# Altium PCB BtnCore.PcbDoc (continued)
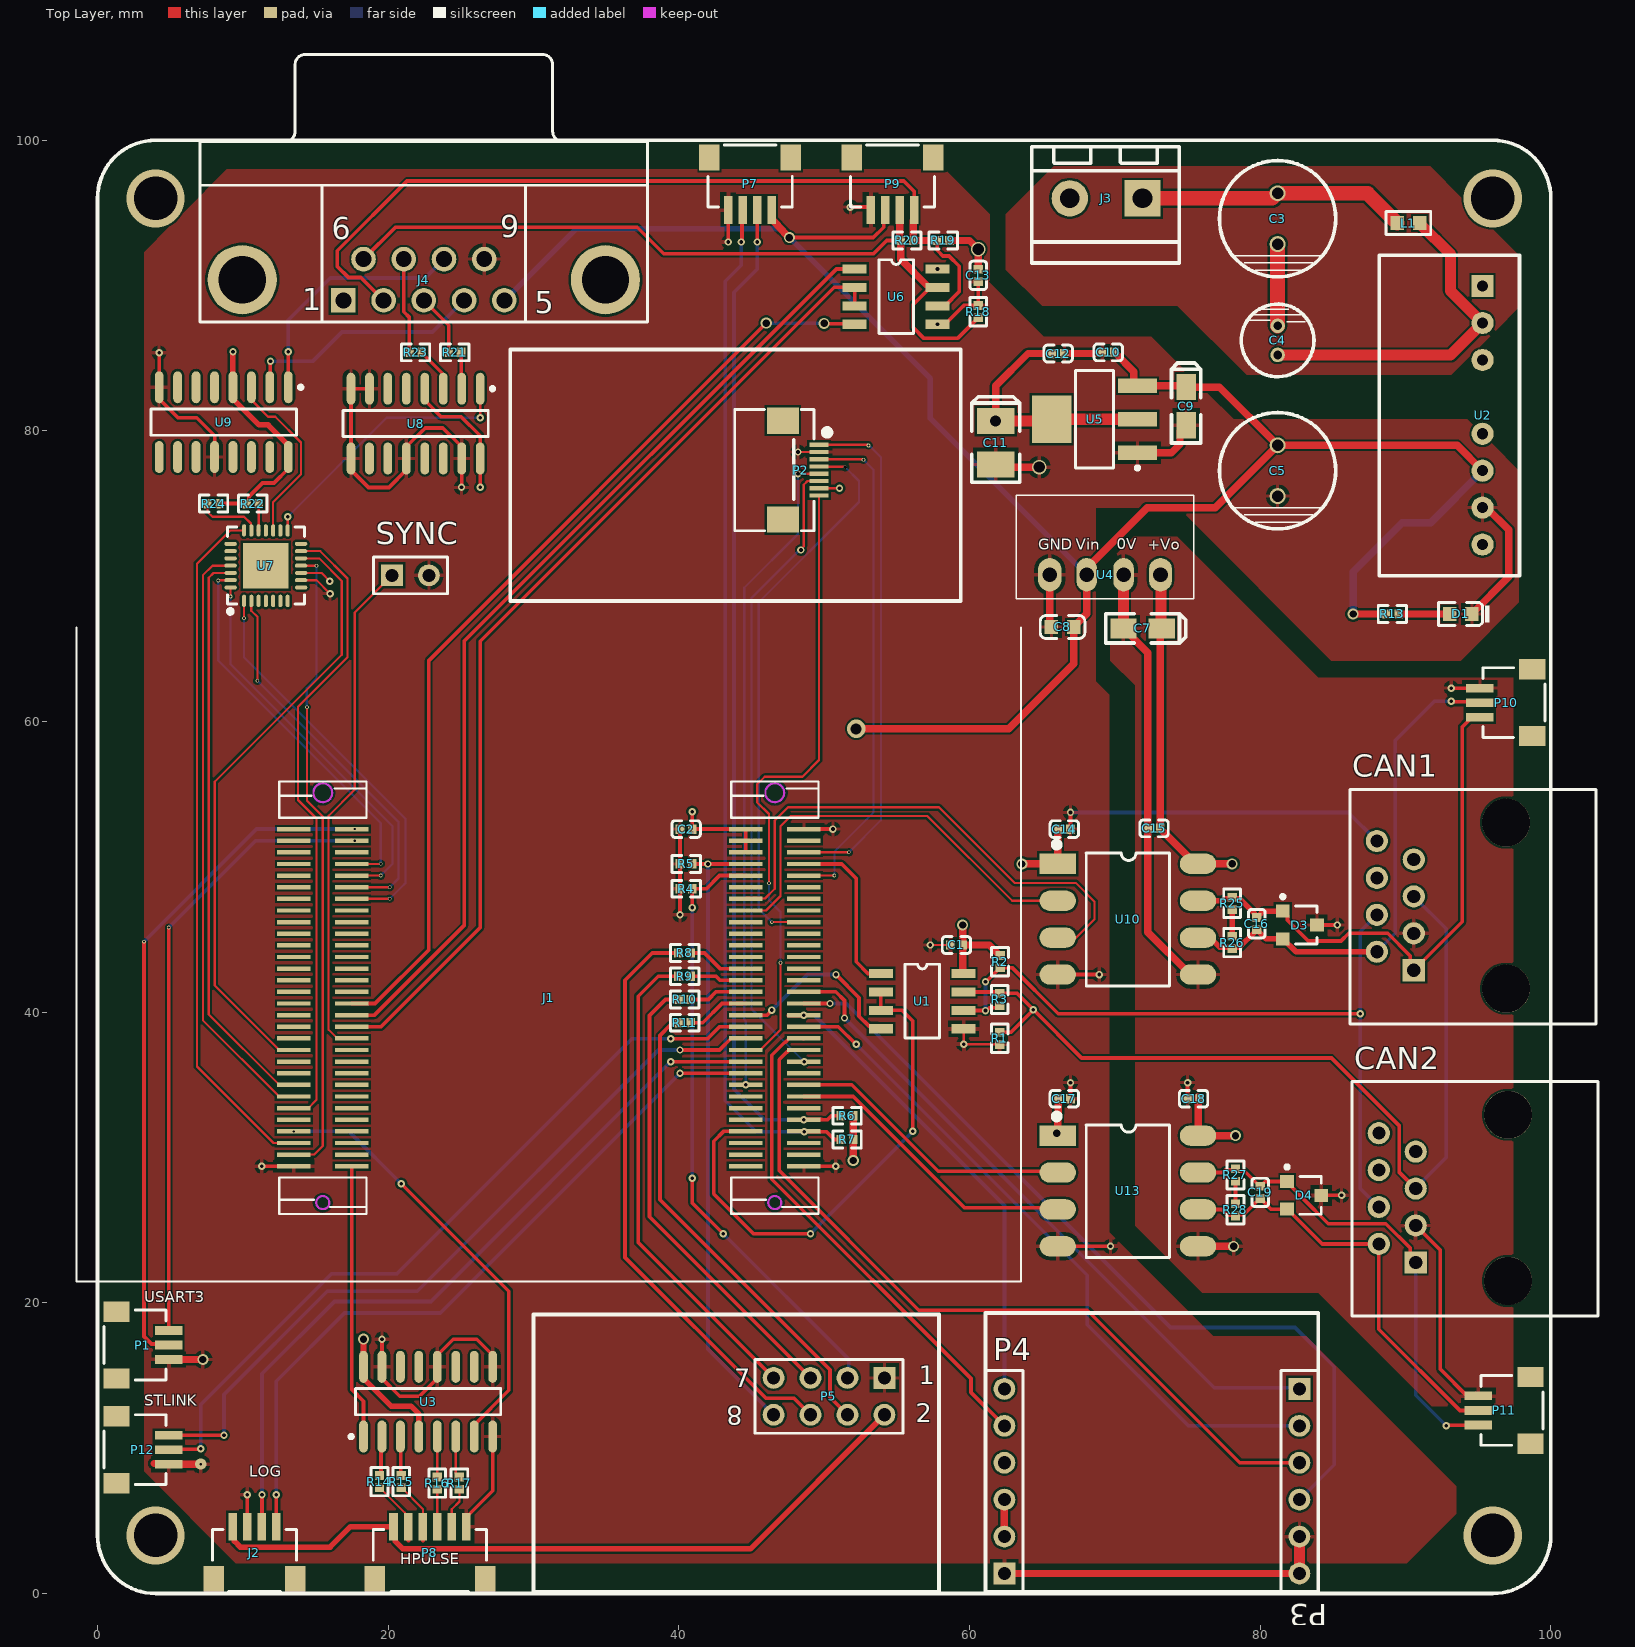
[diagram p0: Top Layer view]
## Footprints (in the part's own frame and the unit in brackets; to place one, negate y for a bottom-side part, rotate by r counter-clockwise, add the part's x,y. Pads: shape width x height; smd on the part's side, far side on the other; paste and mask are expansions set on the pad)
0402_C [mm]
  rect 0.6x0.65 smd mask+0.051: 1(-0.425,0) 2(0.425,0)
  silkscreen extent -0.97,-0.58 0.97,0.58, body extent -0.48,-0.3 0.52,0.3, height 0.2
0402_R [mm]
  rect 0.6x0.65 smd mask+0.051: 1(-0.425,0) 2(0.425,0)
  silkscreen extent -0.97,-0.58 0.97,0.58, body extent -0.57,-0.27 0.58,0.28, height 0.41
0603_C [mm]
  rect 0.93x0.98 smd: 1(-0.77,0) 2(0.77,0)
  silkscreen extent -1.53,-0.79 1.54,0.79, body extent -0.8,-0.4 0.8,0.4, height 0.3
0603_L [mm]
  rect 0.93x0.98 smd: 1(-0.77,0) 2(0.77,0)
  silkscreen extent -1.53,-0.79 1.54,0.79, body extent -0.82,-0.41 0.83,0.41, height 0.46
0603_LED_S1 [mm]
  rect 0.93x0.98 smd: A(0.77,0) K(-0.77,0)
  silkscreen extent -1.98,-0.79 1.54,0.79, body extent -0.8,-0.4 0.8,0.4, height 0.6
B_S-1WR3 [mm]
  oval 1.6x2.3 hole 1: 1(-3.81,0) 4(3.81,0)
  oval 1.4x2.3 hole 1: 2(-1.27,0) 3(1.27,0)
  silkscreen extent -6.1,-1.66 6.1,5.45, body extent -5.81,-0.88 5.79,5.12, height 10.2
CAP-E5mm [mm]
  round 1 hole 0.6: 1(-1,0) 2(1,0)
  silkscreen extent -2.5,-2.5 2.5,2.5
CAP-E8mm [mm]
  round 1.1 hole 0.8: 1(-1.75,0) 2(1.75,0)
  silkscreen extent -4,-4 4,4
CASE-A_3216 [mm]
  rect 1.8x1.35 smd: 1(1.31,0) 2(-1.31,0)
  silkscreen extent -2.54,-1 2.97,1, body extent -1.7,-0.84 1.7,0.84, height 1.71
CASE-B_3528 [mm]
  rect 1.8x2.6 smd: 1(1.5,0) 2(-1.5,0)
  silkscreen extent -2.73,-1.65 3.16,1.65, body extent -1.85,-1.47 1.85,1.46, height 2.03
DCDC_SUCCEED-WRA_S/WRB-1/2/3W [mil]
  rect 60x60 hole 30: 1(0,0)
  round 60 hole 30: 2(100,0) 3(200,0) 5(400,0) 6(500,0) 7(600,0) 8(700,0)
  silkscreen extent -84,-280 785,100, body extent -82,-278 784,96, height 472
DSUB1.385-2H9 [mm] "Connector; D Subminiature; 9 Position; Right Angle; Pitch 1.385 mm"
  rect 1.69x1.69 hole 1.09: 1(-5.54,-10.92)
  round 1.69 hole 1.09: 2(-2.77,-10.92) 3(0,-10.92) 4(2.77,-10.92) 5(5.54,-10.92) 6(-4.155,-8.08) 7(-1.385,-8.08) 8(1.385,-8.08) 9(4.155,-8.08)
  round 4.76 hole 3.26: 10(-12.495,-9.5) 11(12.495,-9.5)
  silkscreen extent -15.4,-12.4 15.4,6
"FPC0.5 2H-WS-8P" [mm] "长：8.2mm，宽：5.2mm，高：2mm"
  rect 1.8x2.2 smd: 0(-3.4,0) 0(3.4,0)
  rect 0.3x1.3 smd: 1(-1.75,2.497) 2(-1.25,2.497) 3(-0.75,2.497) 4(-0.25,2.497) 5(0.25,2.497) 6(0.75,2.497) 7(1.25,2.497) 8(1.75,2.497)
  silkscreen extent -4.17,-3.3 4.17,3.23, body extent -4.1,-3.15 4.1,2.85, height 2
HDR1X2 [mm] "Connector; Header; 2 Position"
  rect 1.5x1.5 hole 0.9: 1(0,0)
  round 1.5 hole 0.9: 2(2.54,0)
  silkscreen extent -1.27,-1.27 3.81,1.27
HDR1X6 [mm] "Connector; Header; 6 Position"
  rect 1.5x1.5 hole 0.9: 1(0,0)
  round 1.5 hole 0.9: 2(2.54,0) 3(5.08,0) 4(7.62,0) 5(10.16,0) 6(12.7,0)
  silkscreen extent -1.27,-1.27 13.97,1.27
HDR2X4 [mm] "Connector; Header; 4x2 Position"
  rect 1.5x1.5 hole 0.9: 1(0,0)
  round 1.5 hole 0.9: 2(0,2.54) 3(2.54,0) 4(2.54,2.54) 5(5.08,0) 6(5.08,2.54) 7(7.62,0) 8(7.62,2.54)
  silkscreen extent -1.27,-1.27 8.89,3.81
HEAD2L-0.8 [mm]
  rect 2.5x2.5 hole 1.35: 1(0,0)
  round 2.5 hole 1.35: 2(5,0)
  silkscreen extent -2.54,-3.56 7.62,4.45
QFN-28_5x5x05P [mm]
  rect 3.13x3.13 smd mask+0.051: 0(0,0)
  oval 0.28x0.85 smd mask+0.051: 1(-1.5,-2.425) 2(-1,-2.425) 3(-0.5,-2.425) 4(0,-2.425) 5(0.5,-2.425) 6(1,-2.425) 7(1.5,-2.425) 15(1.5,2.425) 16(1,2.425) 17(0.5,2.425) 18(0,2.425) 19(-0.5,2.425) 20(-1,2.425) 21(-1.5,2.425)
  oval 0.85x0.28 smd mask+0.051: 8(2.425,-1.5) 9(2.425,-1) 10(2.425,-0.5) 11(2.425,0) 12(2.425,0.5) 13(2.425,1) 14(2.425,1.5) 22(-2.425,1.5) 23(-2.425,1) 24(-2.425,0.5) 25(-2.425,0) 26(-2.425,-0.5) 27(-2.425,-1) 28(-2.425,-1.5)
  silkscreen extent -2.65,-3.3 2.65,2.65
RJ45-8P8C [mil]
  rect 60x60 hole 35.43: 1(162,-181)
  round 60 hole 35.43: 2(112,-281) 3(62,-181) 4(12,-281) 5(-38,-181) 6(-88,-281) 7(-138,-181) 8(-188,-281)
  round 129.92 hole 129.92: 15(212,69) 16(-238,69)
  silkscreen extent -328,-354 307,313, body extent -317,-310 293,312, height 642
SH1.0-3P-L [mm]
  rect 1.4x1.8 smd: 0(-2.3,-1.8) 0(2.3,-1.8)
  rect 0.6x1.9 smd: 1(-1,1.8) 2(0,1.8) 3(1,1.8)
  silkscreen extent -2.4,-2.67 2.4,1.6, body extent -2.5,-2.79 2.5,2.16, height 2.96
SH1.0-4P-L [mm]
  rect 1.4x1.8 smd: 0(-2.8,-1.8) 0(2.8,-1.8)
  rect 0.6x1.9 smd: 1(-1.5,1.8) 2(-0.5,1.8) 3(0.5,1.8) 4(1.5,1.8)
  silkscreen extent -2.9,-2.67 2.9,1.6, body extent -3,-2.79 3,2.16, height 2.96
SH1.0-6P-L [mm]
  rect 1.4x1.8 smd: 0(-3.8,-1.8) 0(3.8,-1.8)
  rect 0.6x1.9 smd: 1(-2.5,1.8) 2(-1.5,1.8) 3(-0.5,1.8) 4(0.5,1.8) 5(1.5,1.8) 6(2.5,1.8)
  silkscreen extent -3.9,-2.67 3.9,1.6, body extent -4,-2.79 4,2.16, height 2.96
SO-16_N [mm] "SOIC, 16-Leads, Body 9.9x3.9mm, Pitch 1.27mm, IPC Medium Density"
  oval 2.2x0.6 smd: 1(-2.4,4.445) 2(-2.4,3.175) 3(-2.4,1.905) 4(-2.4,0.635) 5(-2.4,-0.635) 6(-2.4,-1.905) 7(-2.4,-3.175) 8(-2.4,-4.445) 9(2.4,-4.445) 10(2.4,-3.175) 11(2.4,-1.905) 12(2.4,-0.635) 13(2.4,0.635) 14(2.4,1.905) 15(2.4,3.175) 16(2.4,4.445)
  silkscreen extent -2.52,-5 0.9,5.42, body extent -2,-5 2,5, height 1.75
SOP8-W2.54 [mm] "6.5*9.66*3.5mm（长宽高）"
  rect 2.5x1.4 smd: 1(-4.826,3.81)
  oval 2.5x1.4 smd: 2(-4.826,1.27) 3(-4.826,-1.27) 4(-4.826,-3.81) 5(4.826,-3.81) 6(4.826,-1.27) 7(4.826,1.27) 8(4.826,3.81)
  silkscreen extent -5.06,-4.59 2.87,5.29, body extent -5,-4.83 5,4.83, height 3.82
SOP-8 [mil]
  rect 65x25 smd: 1(0,0) 2(0,-50) 3(0,-100) 4(0,-150) 5(224.41,-150) 6(224.41,-100) 7(224.41,-50) 8(224.41,0)
  silkscreen extent 65,-175 159,25
SOT223_M [mm] "SOT223, 4-Leads, Body 6.5x3.5mm, Pitch 2.3mm, Lead Span 7mm, IPC Low Density"
  rect 2.7x1 smd: 1(-2.95,2.3) 2(-2.95,0) 3(-2.95,-2.3)
  rect 2.7x3.3 smd: 4(2.95,0)
  silkscreen extent -3.08,-3.35 1.3,3.47, body extent -1.85,-3.35 1.85,3.35, height 1.7
SOT-23 [mm]
  rect 0.9x0.95 smd: 1(-0.95,-1.048) 2(0.95,-1.048) 3(0,1.302)
  silkscreen extent -2.07,-1.17 1.3,1.3
STM32F4&F7_CB [mm]
  rect 2.3x0.3 smd: J1_1(0,0) J1_2(0,0.8) J1_3(0,1.6) J1_4(0,2.4) J1_5(0,3.2) J1_6(0,4) J1_7(0,4.8) J1_8(0,5.6) J1_9(0,6.4) J1_10(0,7.2) J1_11(0,8) J1_12(0,8.8) J1_13(0,9.6) J1_14(0,10.4) J1_15(0,11.2) J1_16(0,12) J1_17(0,12.8) J1_18(0,13.6) J1_19(0,14.4) J1_20(0,15.2) J1_21(0,16) J1_22(0,16.8) J1_23(0,17.6) J1_24(0,18.4) J1_25(0,19.2) J1_26(0,20) J1_27(0,20.8) J1_28(0,21.6) J1_29(0,22.4) J1_30(0,23.2) J1_31(4,23.2) J1_32(4,22.4) J1_33(4,21.6) J1_34(4,20.8) J1_35(4,20) J1_36(4,19.2) J1_37(4,18.4) J1_38(4,17.6) J1_39(4,16.8) J1_40(4,16) J1_41(4,15.2) J1_42(4,14.4) J1_43(4,13.6) J1_44(4,12.8) J1_45(4,12) J1_46(4,11.2) J1_47(4,10.4) J1_48(4,9.6) J1_49(4,8.8) J1_50(4,8) J1_51(4,7.2) J1_52(4,6.4) J1_53(4,5.6) J1_54(4,4.8) J1_55(4,4) J1_56(4,3.2) J1_57(4,2.4) J1_58(4,1.6) J1_59(4,0.8) J1_60(4,0) J2_1(31.1,0.001) J2_2(31.1,0.801) J2_3(31.1,1.601) J2_4(31.1,2.401) J2_5(31.1,3.201) J2_6(31.1,4.001) J2_7(31.1,4.801) J2_8(31.1,5.601) J2_9(31.1,6.401) J2_10(31.1,7.201) J2_11(31.1,8.001) J2_12(31.1,8.801) J2_13(31.1,9.601) J2_14(31.1,10.401) J2_15(31.1,11.201) J2_16(31.1,12.001) J2_17(31.1,12.801) J2_18(31.1,13.601) J2_19(31.1,14.401) J2_20(31.1,15.201) J2_21(31.1,16.001) J2_22(31.1,16.801) J2_23(31.1,17.601) J2_24(31.1,18.401) J2_25(31.1,19.201) J2_26(31.1,20.001) J2_27(31.1,20.801) J2_28(31.1,21.601) J2_29(31.1,22.401) J2_30(31.1,23.201) J2_31(35.1,23.201) J2_32(35.1,22.401) J2_33(35.1,21.601) J2_34(35.1,20.801) J2_35(35.1,20.001) J2_36(35.1,19.201) J2_37(35.1,18.401) J2_38(35.1,17.601) J2_39(35.1,16.801) J2_40(35.1,16.001) J2_41(35.1,15.201) J2_42(35.1,14.401) J2_43(35.1,13.601) J2_44(35.1,12.801) J2_45(35.1,12.001) J2_46(35.1,11.201) J2_47(35.1,10.401) J2_48(35.1,9.601) J2_49(35.1,8.801) J2_50(35.1,8.001) J2_51(35.1,7.201) J2_52(35.1,6.401) J2_53(35.1,5.601) J2_54(35.1,4.801) J2_55(35.1,4.001) J2_56(35.1,3.201) J2_57(35.1,2.401) J2_58(35.1,1.601) J2_59(35.1,0.801) J2_60(35.1,0.001)
  Keep-Out Layer circle w0.152: c33.1,25.701 r0.45
  Keep-Out Layer circle w0.152: c33.1,-2.499 r0.65
  Keep-Out Layer circle w0.152: c2,-2.5 r0.65
  Keep-Out Layer circle w0.152: c2,25.7 r0.45
  silkscreen extent -14.95,-13.87 50.05,31.13

## Part data
C1 C2 C8 C10 C12 C13 C14 C15 C17 C18: library part "0603 100nF (104) 10% 50V", "贴片电容", Package=0603, SuppliersPartNumber=C14663, ComponentLink1Description=供应商链接, ComponentLink1URL=http://www.szlcsc.com/product/details_15331.html, Supplier=LC
C3 C4 C5: "Polarized Capacitor (Radial)", LatestRevisionDate=17-Jul-2002, LatestRevisionNote="Re-released for DXP Platform.", PackageDescription="Polarized Capacitor (Radial); 2 Leads", PackageReference=RB7.6-15, Published=8-Jun-2000, Publisher="Altium Limited"
C7 C9 C11: library part "3216 10uF (106) 10% 16V", "钽电容", Package=3216, SuppliersPartNumber=C7171, ComponentLink1Description=供应商链接, ComponentLink1URL=http://www.szlcsc.com/product/details_7643.html, Supplier=LC
C16 C19: library part "0603 1nF (102) 10% 50V", "贴片电容", Package=0603, SuppliersPartNumber=C1588, ComponentLink1Description=供应商链接, ComponentLink1URL=http://www.szlcsc.com/product/details_1940.html, Supplier=LC
CAN1 CAN2: library part RJ45-8P8C, "以太网接口"
D1: library part "0603 白灯", "发光二极管", Package=0603, SuppliersPartNumber=C2290, ComponentLink1Description=供应商链接, ComponentLink1URL=http://www.szlcsc.com/product/details_2663.html, Supplier=LC
D3 D4: library part Diode-TVS, "瞬态抑制二极管"
J1: "F429/746 Core Board"
J2: library part "Header 4", "4P接插件", BOM名称=4P接插件, 厂商=JST
J3: library part HEAD2
J4: "Receptacle Assembly, 9 Position, Right Angle", PackageDocument=O, DatasheetDocument=1-Sep-1999, Gender=Receptacle, LatestRevisionDate=17-Jul-2002, LatestRevisionNote="Re-released for DXP Platform.", Orientation="Right Angle", PackageReference=788750, Positions=9, Published=15-Jun-2001, Publisher="Altium Limited"
P1 P12: library part "Header 3", "3P接插件", BOM名称=3P接插件, 厂商=JST
P2: "Header, 8-Pin", LatestRevisionDate=17-Jul-2002, LatestRevisionNote="Re-released for DXP Platform.", Publisher="Altium Limited"
P3 P4 P8: "Header, 6-Pin", LatestRevisionDate=17-Jul-2002, LatestRevisionNote="Re-released for DXP Platform.", Publisher="Altium Limited"
P5: "Header, 4-Pin, Dual row", LatestRevisionDate=17-Jul-2002, LatestRevisionNote="Re-released for DXP Platform.", Publisher="Altium Limited"
P7 P9: "Header, 4-Pin", LatestRevisionDate=17-Jul-2002, LatestRevisionNote="Re-released for DXP Platform.", Publisher="Altium Limited"
P10 P11: "Header, 3-Pin", LatestRevisionDate=17-Jul-2002, LatestRevisionNote="Re-released for DXP Platform.", Publisher="Altium Limited"
R1 R2 R14 R15 R16 R17 R18 R19 R21 R22 R23 R24: library part "0603 360Ω (3600) 1%", "贴片电阻", Package=0603, SuppliersPartNumber=C25194, ComponentLink1Description=供应商链接, ComponentLink1URL=http://www.szlcsc.com/product/details_25937.html, Supplier=LC
R3 R20 R25 R27: library part "0603 120Ω (1200) 1%", "贴片电阻", Package=0603, SuppliersPartNumber=C22787, ComponentLink1Description=供应商链接, ComponentLink1URL=http://www.szlcsc.com/product/details_23514.html, Supplier=LC
R4 R5 R6 R7 R13: library part "0805 100KΩ (1003) 1%", "贴片电阻", Package=0805, SuppliersPartNumber=C17407, ComponentLink1Description=供应商链接, ComponentLink1URL=http://www.szlcsc.com/product/details_18095.html, Supplier=LC
R8 R9 R10 R11: library part "0603 33Ω (33R0) 1%", "贴片电阻", Package=0603, SuppliersPartNumber=C23140, ComponentLink1Description=供应商链接, ComponentLink1URL=http://www.szlcsc.com/product/details_23867.html, Supplier=LC
R26 R28: library part "0603 0Ω (0R0) 1%", "贴片电阻", Package=0603, SuppliersPartNumber=C21189, ComponentLink1Description=供应商链接, ComponentLink1URL=http://www.szlcsc.com/product/details_21903.html, Supplier=LC
SYNC: "Header, 2-Pin", LatestRevisionDate=17-Jul-2002, LatestRevisionNote="Re-released for DXP Platform.", Publisher="Altium Limited"
U1 U6: library part MAX3485
U2: library part DCDC-WRB, "电源模块"
U3 U8: "AM32LS31 单端转差分芯片"
U4: library part B_S-1WR3
U5: library part AMS1117, "3.3V稳压芯片"
U7: "SPI转BiSS主站芯片"
U9: "AM26LS32 差分转单端"
U10 U13: "CAN隔离收发器"
L1: Code_IEC=1005, Code_JEITA=0402, LatestRevisionDate=29-May-2009, LatestRevisionNote="IPC-7351 Footprint Added.", PackageDescription="Chip Inductor", PackageReference=0402-A, Published=8-Jun-2000, Publisher="Altium Limited"

## Via types
v1: diameter 0.508, hole 0.254, Top Layer to Bottom Layer, 68 vias
v2: diameter 0.254, hole 0.152, Top Layer to Bottom Layer, 22 vias
v3: diameter 0.762, hole 0.508, Top Layer to Bottom Layer, 13 vias
v4: diameter 4/0.508/0.508/0.508 (per signal layer), hole 3, Top Layer to Bottom Layer, 4 vias
v5: diameter 1.016, hole 0.762, Top Layer to Bottom Layer, 3 vias
v6: diameter 1.27, hole 0.762, Top Layer to Bottom Layer, 1 vias
v7: diameter 0.254, hole 0.254, Top Layer to Bottom Layer, 1 vias
v8: diameter 0.762, hole 0.152, Top Layer to Bottom Layer, 1 vias

## Nets (pads, with @x,y where several pads share a name; then routed paths per layer and width w, separated by ;. In a path a pad name is that pad's centre, name@x,y a point inside that pad or via, vN(x,y) a via of type N, cw(c..) or ccw(c..) an arc to the next point about the centre after c; other vN are vias at no path point)
24VGND: C3.2 C4.2 J3.2 U2.1 | length 5.6
  Top Layer w1.016: C4.2 C3.2
CAN2_H: C19.2 CAN2.1 D4.1 P11.1 R27.2 U13.7 | length 32.7
  Top Layer w0.254: U13.7 77.411,28.97 77.594,29.153 78.228,29.153 R27.2 78.469,29.056 78.944,29.056 79.975,28.025 C19.2 80.025,28.025 80.198,28.198 80.198,28.201 80.347,28.35 D4.1 ; D4.1@81.877,28.35 82.2,28.027 82.2,27.938 82.885,27.254 84.686,25.452 88.648,25.452 90.321,23.779 90.321,23.167 CAN2.1 ; v1(92.8,11.54) 92.83,11.57 94.97,11.57 P11.1
  Bottom Layer w0.254: CAN2.1 90.703,13.637 v1(92.8,11.54)
CAN2_L: C19.1 CAN2.2 D4.2 P11.2 R28.1 U13.6 | length 29.5
  Top Layer w0.254: U13.6 77.357,26.43 77.743,26.044 78.231,26.044 R28.1 78.382,26.057 78.857,26.057 79.975,27.175 C19.1 80.025,27.175 80.75,26.45 D4.2 D4.2@81.832,26.43 ; D4.2@81.8,26.43 D4.2@81.832,26.43 ; P11.2 93.75,12.6 88.163,18.187 CAN2.2 84.272,24.055 81.897,26.43 D4.2@81.832,26.43
CAN_H: C16.2 CAN1.1 D3.1 P10.1 R25.2 U10.7 | length 37.1
  Top Layer w0.254: D3.1 81.556,46.95 81.879,46.627 81.879,46.321 83.3,44.9 85.561,44.9 86.09,45.429 88.771,45.429 90.316,43.884 90.316,43.524 90.62,43.221 90.9,43.221 CAN1.1 ; CAN1.1@90.94,43.26 93.9,46.221 93.9,59.63 P10.1@94.57,60.3
  Top Layer w0.381: U10.7 77.417,47.67 77.56,47.812 78.578,47.812 C16.2@79.634,46.756 ; C16.2 79.794,46.518 79.903,46.627 79.903,46.652 80.201,46.95 D3.1@81.527,46.95
CAN_L: C16.1 CAN1.2 D3.2 P10.2 R26.1 U10.6 | length 35.8
  Top Layer w0.254: v1(93.145,61.4) 93.194,61.351 95.067,61.351 P10.2
  Top Layer w0.381: U10.6 76.552,45.13 77.208,44.473 77.963,44.473 R26.1 78.174,44.473 78.578,44.473 79.634,45.53 79.634,45.558 79.744,45.668 C16.1 79.794,45.668 80.412,45.05 D3.2 81.577,45.05 82.468,44.159 CAN1.2
  Bottom Layer w0.254: CAN1.2 89.3,45.431 89.3,58.7 92,61.4 v1(93.145,61.4)
CANGND: C7.2 C15.1 C18.1 CAN1.3 CAN2.3 D3.3 D4.3 P10.3 P11.3 U4.3 U10.5 U13.5 | length 54
  Top Layer w0.254: C7.2@70.6,66.41 C7.2 ; C18.1 74.999,34.056 74.999,35.147 v1(75.005,35.153) ; U13.5@75.176,23.89 U13.5 ; U10.5@75.176,42.59 U10.5 ; U10.5@75.726,42.49 U10.5 ; U10.5@75.826,42.49 U10.5 ; D3.3 v1(85.3,46) ; D4.3@84.177,27.4 D4.3 v1(85.6,27.4) ; CAN1.3@90.225,45.429 CAN1.3 90.569,45.086 CAN1.3@90.597,45.058 ; CAN2.3 92.4,23.628 92.4,15.43 94.23,13.6 P11.3 P11.3@94.827,13.773 ; v1(93.145,62.3) P10.3
  Top Layer w0.508: C7.2 72.275,64.735 C15.1@72.275,52.671 ; C15.1 72.275,45.491 U10.5@75.176,42.59 ; U13.5 v3(78.174,23.89)
  Top Layer w0.762: C7.2@70.6,66.41 70.602,66.412 70.602,70.104 U4.3
CLK+: J4.3 R21.2 | length 4.3
  Top Layer w0.254: J4.3 24.159,87.275 R21.2
CLK-: J4.7 R23.2 | length 6.6
  Top Layer w0.254: J4.7 21.069,88.2 21.459,87.81 R23.2
GND: C1.1 C2.1 C5.2 C8.2 C9.2 C10.2 C11.2 C12.2 C13.1 C14.1 C17.1 CAN1.8 CAN2.8 D1.K J1.J1_1 J1.J1_30 J1.J2_31 J2.2 J4.9 P1.3 P2.2 P3.5 P3.6 P4.1 P5.1 P7.4 P8.6 P9.4 P12.3 R1.2 R4.2 R5.1 R18.2 SYNC.2 U1.5 U2.7 U3.8 U3.9 U3.12 U3.15 U4.1 U5.1 U6.5 U7.9 U8.7 U8.8 U8.9 U8.12 U8.15 U9.8 U9.12 U10.4 U13.4 | length 198.1
  Top Layer w0.152: U7.9 15.074,69.726 v1(16,68.8) ; v1(48.2,78.55) P2.2 ; v1(57.3,44.625) C1.1 ; U1.5 v1(59.6,37.8) 62.05,37.8 R1.2
  Top Layer w0.254: v1(4.239,85.375) U9.8 4.239,82.2 5.542,80.896 6.823,80.896 8.061,79.659 8.061,78.212 U9.12 ; J2.2 v1(10.3,6.8) ; v1(11.3,29.399) J1.J2_31 ; U8.7 U8.8 U8.9 17.439,77.3 18.639,76.1 20.049,76.1 21.249,77.3 U8.12 21.249,78.9 22.549,80.2 23.759,80.2 25.059,78.9 U8.15 25.059,76.125 v1@25.034,76.1 ; v1(19.569,17.5) U3.15 19.569,14.8 20.789,13.581 22.16,13.581 23.379,14.8 U3.12 23.379,16.4 24.479,17.5 26.089,17.5 27.189,16.4 U3.9 ; P8.6 25.372,5.25 27.189,7.068 U3.8 ; v1(40.075,46.7) R4.2 C2.1 ; v1(43.4,93) P7.4 ; J1.J1_30 v1(50.8,29.4) ; J1.J1_1 v1(50.6,52.6) ; v1(51.8,95.4) 53.027,95.4 53.2,95.573 P9.4@53.2,95.75 ; v1(57.8,87.33) 58.308,87.33 59.6,88.622 60.597,88.622 R18.2 C13.1 ; C11.2 C11.2@61.988,77.5 ; C8.2@65.52,66.616 C8.2 ; U13.4 v1(69.7,23.89) ; U10.4 v1(68.925,42.59) v1@69,42.665 ; C17.1 v1(66.947,35.153) ; C14.1 v1(66.947,53.747)
  Top Layer w0.508: 3.885,8.946 4.854,8.946 P12.3 v8(7.1,8.9) ; P1.3@4.25,16.1 v3(7.248,16.1) ; C11.2@61.988,77.5 v5(64.8,77.5) ; P4.1 P3.6 ; C8.2@65.52,66.616 U4.1 ; C12.2 69.066,85.322 69.119,85.375 C10.2 ; U5.1 73.6,78.5 73.9,78.5 74.479,79.079 74.479,79.969 C9.2 ; C5.2 C5.2@81.25,75.46 ; D1.K 94.57,67.425 97.1,69.955 97.1,73.195 95.575,74.72 U2.7
  Top Layer w0.762: P3.6 P3.5
  GND w0.254: v1(69.7,23.89) 69.7,33.2 72.6,36.1 83.738,36.1 CAN2.8
  Bottom Layer w0.254: v1(66.947,53.747) 86.061,53.747 CAN1.8
  other v1: 25.046,76.113
HPULSE: J1.J2_30 U3.1 | length 18.9
  Top Layer w0.254: J1.J2_30 17.5,14.036 18.299,13.237 U3.1
HPULSE+: P8.2 R14.2 | length 4.5
  Top Layer w0.152: R14.2 19.425,7.275 21.148,5.552 21.148,4.82 P8.2@21.368,4.6
  Top Layer w0.254: P8.2@21.368,4.6 21.368,3.682 P8.2@21.4,3.65
HPULSE-: P8.3 R15.2 | length 4.3
  Top Layer w0.152: R15.2 20.925,7.275 22.4,5.8 P8.3@22.4,4.6
  Top Layer w0.254: P8.3@22.4,3.65 P8.3@22.4,4.6
HSIGN: J1.J2_34 U3.7 | length 30.3
  Top Layer w0.254: v1(20.9,28.2) 28.3,20.8 28.3,13.981 25.919,11.6 U3.7
  Bottom Layer w0.254: v2(13.5,31.799) 17.301,31.799 v1(20.9,28.2)
HSIGN+: P8.4 R16.2 | length 2.6
  Top Layer w0.152: P8.4 23.379,4.608 R16.2
HSIGN-: P8.5 R17.2 | length 2.8
  Top Layer w0.152: P8.5 24.372,5.8 24.9,6.328 R17.2
I2C1_SCL: J1.J1_26 P7.2 R6.2 | length 70.7
  Top Layer w0.254: v1(45.4,93) P7.2 ; 49.823,32.623 48.623,32.623 v1(48.6,32.6) 50.225,32.6 50.5,32.875 R6.2
  Bottom Layer w0.254: v1(45.4,93) 45.4,91.14 43.8,89.54 43.8,34.7 45.9,32.6 v1(48.6,32.6)
I2C1_SDA: J1.J1_27 P7.3 R7.2 | length 70.9
  Top Layer w0.254: v1(44.3,93) 44.349,93.049 44.349,95.149 P7.3 ; J1.J1_27 v1(48.623,31.777) 50.165,31.777 50.7,31.242 R7.2
  Bottom Layer w0.254: v1(44.3,93) 44.3,91.4 43.2,90.3 43.2,33.9 45.323,31.777 v1(48.623,31.777)
ISO5V: C7.1 C15.2 C18.2 U4.4 U10.8 U13.8 | length 28.8
  Top Layer w0.508: C7.1 73.125,66.307 C15.2 73.125,52.621 75.005,50.74 75.005,50.622 75.417,50.21 U10.8 v3(78.069,50.21) ; C18.2@75.726,34.2 U13.8 v3@78.228,31.51
  Top Layer w0.762: U4.4 73.182,70.064 73.182,66.448 C7.1
  other v3: 78.3,31.51
LCD_CS: J1.J1_41 P2.8 | length 43.7
  Top Layer w0.152: J1.J1_41@45.6,37.4 47,38.8 v2(47,43.4) ; v2(46.2,48.878) 46.2,53.636 45.4,54.436 45.4,55.7 45.9,56.2 48.5,56.2 49.648,57.348 P2.8
  Top Layer w0.254: J1.J1_41 J1.J1_41@45.6,37.4
  Bottom Layer w0.152: v2(46.2,48.878) 46.2,47.7 47,46.9 v2(47,43.4)
LCD_LEDA: J1.J1_3 P2.1 | length 35.8
  Top Layer w0.152: J1.J1_3 v2(51.7,51) ; P2.1 52.973,79.05 53.023,79 v2(53.05,79)
  Bottom Layer w0.152: v2(51.7,51) 53.9,53.2 53.9,78.2 53.1,79 v2(53.05,79)
LCD_RS: J1.J1_9 P2.4 | length 38.9
  Top Layer w0.152: v2(46.4,46.2) J1.J1_9 ; P2.4 49.673,77.525 51.425,77.525 v7(51.45,77.5)
  Bottom Layer w0.152: v2(46.4,46.2) 45.5,47.1 45.5,68.2 52.4,75.1 52.4,76.55 v7(51.45,77.5)
LCD_RST: J1.J1_5 P2.3 | length 35.2
  Top Layer w0.152: J1.J1_5 v2(50.7,49.4) ; P2.3 52.63,78.05 52.673,78.008 v2(52.7,78.008)
  Bottom Layer w0.152: v2(50.7,49.4) 50.7,51.05 53.4,53.75 53.4,77.308 v2(52.7,78.008)
NetC4_1: C4.1 L1.2 U2.2 | length 23.7
  Top Layer w0.762: C4.1 93.105,85.225 U2.2 93.082,89.638 93.082,92.163 90.97,94.275 L1.2
NetCAN1_4: CAN1.4 CAN2.4 R2.2 R3.2 U1.6 | length 53.2
  Top Layer w0.254: U1.6 59.607,40.118 61.093,40.118 v1(61.1,40.111) 61.169,40.111 61.369,40.311 61.877,40.311 62.016,40.45 R3.2 ; v1(61.1,42.1) 61.125,42.1 62.075,43.05 62.954,43.05 66.104,39.9 v1(86.886,39.9)
  Bottom Layer w0.254: v1(61.1,40.111) v1(61.1,42.1) ; CAN1.4 86.886,45.556 86.886,27.872 CAN2.4
NetCAN1_5: CAN1.5 CAN2.5 R1.1 R3.1 U1.7 | length 64
  Top Layer w0.254: U1.7@59.092,41.395 U1.7 61.88,41.395 62.075,41.2 R3.1@62.1,41.2 ; R1.1 62.85,38.625 v1(64.394,40.169) ; R3.1 63.262,41.3 v1(64.394,40.169) ; CAN2.5 89.56,29.008 89.56,32.203 84.913,36.85 67.712,36.85 v1(64.394,40.169)
  Bottom Layer w0.254: CAN1.5 92.8,45.738 92.8,30 CAN2.5@90.684,27.884
NetD1_A: D1.A R13.2 | length 3.5
  Top Layer w0.508: R13.2 D1.A
NetJ1_J1_4: J1.J1_4 U1.1 | length 11.8
  Top Layer w0.254: J1.J1_4 51.2,50.2 52.2,49.2 52.2,43.465 53,42.665 U1.1
NetJ1_J1_23: J1.J1_23 U13.2 | length 20
  Top Layer w0.254: J1.J1_23 50.4,35 51.9,35 57.849,29.051 65.993,29.051 U13.2
NetJ1_J1_24: J1.J1_24 U13.3 | length 20.7
  Top Layer w0.254: J1.J1_24 52,34.2 59.653,26.547 65.957,26.547 U13.3
NetJ1_J1_34: J1.J1_34 U1.2 U1.3 | length 35.2
  Top Layer w0.254: J1.J1_34 43.073,31.8 42.4,31.127 42.4,27.499 45.139,24.76 v1@49.06,24.76 ; U1.2 U1.3 55.375,40.125 56.1,39.4 v1(56.1,31.8)
  Bottom Layer w0.254: v1(49.06,24.75) 49.06,24.76 v1(56.1,31.8)
NetJ1_J1_44: J1.J1_44 U1.4 | length 12.8
  Top Layer w0.254: J1.J1_44 46.089,39.8 46.4,40.111 v1(46.4,40.147) ; v1@50.8,42.59 v1(50.81,42.59) 52.4,41 52.4,39.725 53.079,39.046 53.709,39.046 U1.4
  Bottom Layer w0.254: v1(46.4,40.147) 48.843,42.59 v1(50.81,42.59)
NetJ1_J1_45: J1.J1_45 R11.2 | length 4.3
  Top Layer w0.254: R11.2 41.637,39.275 42.961,40.6 J1.J1_45
NetJ1_J1_46: J1.J1_46 R10.2 | length 4
  Top Layer w0.254: R10.2 42.037,40.875 42.561,41.4 J1.J1_46
NetJ1_J1_47: J1.J1_47 R9.2 | length 3.9
  Top Layer w0.254: R9.2 42.561,42.475 42.837,42.199 44.599,42.199 J1.J1_47
NetJ1_J1_48: J1.J1_48 R8.2 | length 4.2
  Top Layer w0.254: R8.2 41.762,44.075 42.837,43 J1.J1_48
NetJ1_J1_53: J1.J1_53 U10.2 | length 29.4
  Top Layer w0.152: J1.J1_53 46,47 47,48 47,52.8 47.7,53.5 57.1,53.5 62.93,47.67 U10.2
NetJ1_J1_54: J1.J1_54 U10.3 | length 36.4
  Top Layer w0.152: J1.J1_54@45.623,47.823 45.923,47.823 46.6,48.5 46.6,53.196 47.504,54.1 57.9,54.1 63.1,48.9 67.3,48.9 68.6,47.6 68.6,46.4 67.3,45.1 U10.3@66,45.1
  Top Layer w0.254: J1.J1_54 44.623,47.823 J1.J1_54@45.623,47.823 ; U10.3@66.059,45.115 U10.3
NetJ1_J2_4: J1.J2_4 U7.27 | length 27
  Top Layer w0.152: v2@8.3,69.726 U7.27 ; J1.J2_4 v2@19.487,50.199
  Bottom Layer w0.152: v2(8.3,69.7) 8.3,64.2 19.487,53.013 v2@19.487,50.213
  other v2: 19.481,50.216
NetJ1_J2_5: J1.J2_5 U7.28 | length 27.1
  Top Layer w0.152: U7.28@8.807,69.226 U7.28 v2(9.156,68.6) ; J1.J2_5 v2@19.486,49.399
  Bottom Layer w0.152: v2(9.156,68.6) 9.156,63.944 20.3,52.8 20.3,50.213 v2(19.487,49.4)
NetJ1_J2_6: J1.J2_6 U7.2 | length 26.7
  Top Layer w0.152: U7.2 10.581,67.62 11,67.201 v2(11,62.8) ; J1.J2_6 v2@20.1,48.6
  Bottom Layer w0.152: v2(11,62.8) 20.706,53.094 20.706,49.206 v2(20.1,48.6)
NetJ1_J2_7: J1.J2_7 U7.1 | length 28.2
  Top Layer w0.152: U7.1@10.057,68.277 U7.1 v2(10.081,67.1) ; J1.J2_7 v2@20.1,47.8
  Bottom Layer w0.152: v2(10.081,67.1) 10.081,64.42 21.2,53.301 21.2,48.889 21.111,48.8 21.1,48.8 v2(20.1,47.8)
NetJ1_J2_16: J1.J2_16 U6.4 | length 65.7
  Top Layer w0.254: J1.J2_16 19.099,40.599 22.8,44.3 22.8,64.2 v3(46.015,87.415) ; v3(50,87.4) 50.035,87.365 52.065,87.365 U6.4
  Bottom Layer w0.254: v3(46.015,87.415) 49.985,87.415 v3(50,87.4)
NetJ1_J2_17: J1.J2_17 U6.1 | length 67.3
  Top Layer w0.254: J1.J2_17 19.053,39.799 25.224,45.97 25.224,65.525 50.839,91.14 U6.1
NetJ1_J2_18: J1.J2_18 U6.2 U6.3 | length 68.5
  Top Layer w0.254: J1.J2_18 19.499,38.999 26.329,45.829 26.329,65.525 50.689,89.885 52.085,89.885 U6.2 U6.3
NetJ1_J2_32: J1.J2_32 U7.11 | length 44
  Top Layer w0.152: J1.J2_32 14.9,30.2 15.5,30.8 15.5,53.472 14.413,54.559 v2(14.413,60.987) ; U7.11 v2(15.072,70.726)
  Bottom Layer w0.152: v2@14.4,60.987 14.4,62.3 15.072,62.972 v2(15.072,70.726)
NetJ1_J2_33: J1.J2_33 U7.21 | length 47.6
  Top Layer w0.152: U7.21 9.131,73.151 6.841,70.861 6.841,36.259 12.101,30.999 J1.J2_33
NetJ1_J2_36: J1.J2_36 U7.13 | length 43.6
  Top Layer w0.152: J1.J2_36 14.5,33.399 15.072,33.97 15.072,53.325 13.8,54.597 13.8,61.02 17.206,64.427 17.206,69.843 15.324,71.726 U7.13
NetJ1_J2_37: J1.J2_37 U7.25 | length 41.2
  Top Layer w0.152: U7.25 7.911,70.726 7.248,70.063 7.248,39.452 12.5,34.199 J1.J2_37
NetJ1_J2_38: J1.J2_38 U7.26 | length 39.6
  Top Layer w0.152: U7.26@9.087,70.196 9.126,70.196 U7.26 7.986,70.226 7.654,69.894 7.654,39.845 12.5,34.999 J1.J2_38
NetJ1_J2_41: J1.J2_41 U7.12 | length 42.2
  Top Layer w0.152: J1.J2_41 12.5,37.399 8.061,41.839 8.061,55.856 16.8,64.595 16.8,69.675 15.249,71.226 U7.12
NetJ4_2: J4.2 P9.1 R19.2 R20.2 U6.6 | length 58.6
  Top Layer w0.254: J4.2 18.112,90.552 17.262,90.552 16.5,91.314 16.5,92.4 21.3,97.2 55.475,97.2 56.2,96.475 P9.1 ; R19.2 57.775,92.425 58.164,92.036 58.586,92.036 59.3,91.322 59.3,89.592 58.308,88.6 U6.6
  Top Layer w0.508: P9.1 56.2,94.55 56.125,94.475 R20.2 R19.2 ; U6.6 U6.6@57.825,88.625
NetJ4_6: J4.6 P9.2 R18.1 R20.1 U6.7 | length 54.5
  Top Layer w0.254: J4.6 20.496,94.018 37.13,94.018 38.956,92.192 53.392,92.192 54.3,93.1 R20.1 ; U6.7@57.292,89.87 56.125,88.703 56.125,87.11 56.871,86.364 59.164,86.364 60.575,87.775 R18.1 R18.1@60.625,87.775
  Top Layer w0.508: R20.1@55.2,93.275 P9.2 P9.2@55.2,95.45 ; R20.1 55.275,91.804 57.145,89.933 57.736,89.933 U6.7
NetR14_1: R14.1 U3.2 | length 2.7
  Top Layer w0.254: R14.1 19.503,8.228 19.503,10.734 U3.2
NetR15_1: R15.1 U3.3 | length 2.7
  Top Layer w0.254: U3.3 20.87,10.77 20.87,8.155 R15.1
NetR16_1: R16.1 U3.5 | length 2.8
  Top Layer w0.152: R16.1 U3.5
NetR17_1: R17.1 U3.6 | length 2.9
  Top Layer w0.152: U3.6 24.649,8.251 24.875,8.025 R17.1
NetR21_1: R21.1 U8.2 | length 2.5
  Top Layer w0.254: R21.1 25.034,85.375 25.034,82.925 U8.2
NetR22_2: R22.2 U7.19 | length 2
  Top Layer w0.152: U7.19@11.093,73.151 11.093,74.992 R22.2@11.093,75
  Top Layer w0.254: R22.2@11.025,75 11.025,74.924 11.093,74.992 R22.2 ; U7.19 U7.19@11.093,73.151
NetR23_1: R23.1 U8.3 | length 3.1
  Top Layer w0.254: R23.1 22.309,85.375 23.722,83.961 23.722,82.966 U8.3
NetR24_1: R24.1 U7.20 | length 4.4
  Top Layer w0.152: R24.1 7.557,74.444 7.904,74.098 10.085,74.098 10.557,73.626 10.557,73.175 U7.20
  Top Layer w0.254: R24.1 R24.1
NetR25_1: R25.1 R26.2 | length 1.9
  Top Layer w0.381: R26.2 R25.1
NetR27_1: R27.1 R28.2 | length 1.5
  Top Layer w0.254: R28.2 R27.1
NetU7_15: U7.15 U8.1 | length 19
  Top Layer w0.152: U7.15 v1(13.081,74.098) ; v1(26.329,80.9) U8.1
  Bottom Layer w0.152: v1(13.081,74.098) 19.884,80.9 v1(26.329,80.9)
NetU7_17: U7.17 U9.3 | length 12.3
  Top Layer w0.152: U9.3@10.589,82.12 11.73,80.979 12.221,80.979 14.006,79.194 14.006,77.025 12.081,75.1 U7.17
  Top Layer w0.254: U9.3@10.589,82.12 U9.3
PULSE_SYNC: J1.J2_19 SYNC.1 | length 34.9
  Top Layer w0.152: J1.J2_19 16.5,38.199 15.9,38.799 15.9,53.517 17.7,55.317 17.7,67.503 SYNC.1
SLO+: J4.4 U9.2 | length 17.7
  Top Layer w0.254: U9.2@11.859,83.8 U9.2 11.879,83.021 11.879,84.779 v1(11.9,84.8)
  Bottom Layer w0.254: v1(11.9,84.8) 14.823,84.8 16.823,86.8 23.044,86.8 J4.4
SLO-: J4.8 U9.1 | length 17.1
  Top Layer w0.254: U9.1 v1(13.129,85.435)
  Bottom Layer w0.254: v1(13.129,85.435) 13.129,87.629 16.017,90.517 22.535,90.517 J4.8
SPI1_CLR: J1.J1_57 P5.8 R5.2 | length 43.4
  Top Layer w0.254: R5.2 v1(42,50.2) J1.J1_57
  Bottom Layer w0.254: v1(42,50.2) 42,16.82 P5.8
SPI1_LDAC: J1.J1_56 P5.3 R4.1 | length 42.2
  Top Layer w0.254: v1(40.925,28.57) 40.925,26.875 v1(43.05,24.75) ; v1(40.925,47.2) R4.1 41.899,48.5 42.799,49.4 J1.J1_56
  Bottom Layer w0.254: v1(40.925,28.57) v1(40.925,47.2) ; v1(43.05,24.75) 51.7,16.1 51.7,14.94 P5.3
SPI1_MISO: P5.7 R9.1 | length 33.5
  Top Layer w0.254: R9.1 38.575,42.475 37.205,41.105 37.205,24.155 P5.7
SPI1_MOSI: P5.6 R8.1 | length 40.8
  Top Layer w0.254: R8.1 38.175,44.075 36.3,42.2 36.3,23.121 45.99,13.431 47.929,13.431 P5.6
SPI1_NSS: P5.4 R11.1 | length 33.1
  Top Layer w0.254: R11.1 39.847,39.147 39.447,39.147 38.7,38.4 38.7,27.1 50.4,15.4 50.4,13.5 P5.4
SPI1_SCLK: P5.5 R10.1 | length 32
  Top Layer w0.254: R10.1 39.073,40.875 37.975,39.777 37.975,25.925 P5.5
SPI3_SCL: J1.J1_21 P2.6 | length 43.9
  Top Layer w0.152: v1(48.4,71.8) 48.4,71.867 48.6,72.067 48.6,76.3 48.85,76.55 P2.6
  Bottom Layer w0.152: v1@48.4,71.9 45,68.5 45,40.223 v1(48.623,36.6)
SPI3_SDA: J1.J1_38 P2.5 | length 45.1
  Top Layer w0.152: v1(48.2,77.05) P2.5
  Bottom Layer w0.152: v1(44.6,35) 44.6,39.4 44.5,39.5 44.5,69.2 48.2,72.9 v1(48.2,77.05)
SPI4_CS: J1.J1_18 P3.2 | length 47.5
  Top Layer w0.254: J1.J1_18 50.975,39 v1@52.2,37.775
  Bottom Layer w0.254: v1(52.2,37.8) 68.1,21.9 68.1,18.5 75.06,11.54 P3.2
SPI4_INT: J1.J1_15 P3.1 | length 46.1
  Top Layer w0.254: J1.J1_15 50.8,41.4 51.4,40.8 v1(51.4,39.6)
  Bottom Layer w0.254: v1(51.4,39.6) 76.84,14.16 82.62,14.16 P3.1
SPI4_MISO: J1.J1_17 P4.6 | length 32.9
  Top Layer w0.254: J1.J1_17@47.538,39.777 48.577,39.777 v1(48.6,39.8)
  Bottom Layer w0.254: v1(48.6,39.8) 49.3,39.8 62.4,26.7 P4.6
SPI4_MOSI: J1.J1_16 P3.4 | length 57
  Top Layer w0.254: J1.J1_16 v1(50.4,40.6)
  Bottom Layer w0.254: v1(50.4,40.6) 51.525,40.6 73.825,18.3 82.4,18.3 85.1,15.6 85.1,8.86 P3.4
SPI4_RST: J1.J1_19 P4.5 | length 34.8
  Top Layer w0.254: J1.J1_19@48.577,38.177 J1.J1_19 47.6,38.2 47.331,37.931 47.292,37.931 46.392,37.031 46.392,28.508 60.1,14.8 60.1,13.84 P4.5
SPI4_SCLK: J1.J1_20 P3.3 | length 53.7
  Top Layer w0.254: J1.J1_20 47.6,37.4 47.458,37.258 47.419,37.258 46.9,36.739 46.9,29.1 56.5,19.5 68.1,19.5 78.6,9 P3.3
SWCLK: J1.J1_42 P12.1 | length 52.6
  Top Layer w0.254: P12.1 v1(8.7,10.9) ; v1(40.075,37.399) 42.799,37.399 43.6,38.2 J1.J1_42
  Bottom Layer w0.254: v1(8.7,10.9) 8.7,13.7 15.8,20.8 22,20.8 38.6,37.4 v1(40.075,37.399) v1(40.075,37.399)
SWDIO: J1.J1_43 P12.2 | length 54.4
  Top Layer w0.254: P12.2@4.181,9.969 4.961,9.969 4.961,9.961 P12.2@4.93,9.931 ; P12.2 P12.2@4.93,9.931 ; v1(7.1,9.961) 7.069,9.931 P12.2@4.93,9.931 ; v1(39.447,38.177) 41.977,38.177 42.8,39 J1.J1_43
  Bottom Layer w0.254: v1(7.1,9.961) 7.1,13 16.1,22 20.6,22 36.777,38.177 v1(39.447,38.177)
UART4_RX: J1.J1_39 J2.4 | length 51.1
  Top Layer w0.254: J2.4 v1(12.3,6.8) ; v1(40.075,35.8) J1.J1_39
  Bottom Layer w0.254: v1(12.3,6.8) 12.3,14.6 17,19.3 23.575,19.3 v1(40.075,35.8)
UART4_TX: J1.J1_40 J2.3 | length 52.7
  Top Layer w0.254: J2.3 11.31,4.61 11.31,6.79 v1(11.32,6.8) ; v1(39.447,36.6) J1.J1_40
  Bottom Layer w0.254: v1(11.32,6.8) 11.32,15.12 16.3,20.1 22.947,20.1 v1(39.447,36.6)
USART3_RX: J1.J2_1 P1.2 | length 47.8
  Top Layer w0.254: v2(3.2,44.856) 3.2,17.692 3.718,17.174 4.825,17.174 P1.2 ; J1.J2_1@16.5,52.599 J1.J2_1
  Bottom Layer w0.254: v2(3.2,44.856) 10.944,52.6 v2(17.7,52.6)
USART3_TX: J1.J2_2 P1.1 | length 43
  Top Layer w0.254: v2(4.896,45.834) 4.896,18.104 P1.1 ; J1.J2_2@17.477,51.822 J1.J2_2
  Bottom Layer w0.254: v2(4.896,45.834) 10.863,51.8 v2(17.7,51.8)
VCC3.3V: C1.2 C11.1 C12.1 C13.2 C14.2 C17.2 P2.7 P4.2 P4.3 R2.1 R19.1 U1.8 U5.2 U5.4 U6.8 U10.1 U13.1 | length 38.2
  Top Layer w0.152: P2.7 v1(51.05,76.05)
  Top Layer w0.508: R19.1 60,93.1 v5(60.6,92.5) C13.2 ; v3(59.525,46) C1.2 ; U1.8 59.589,42.665 59.525,42.729 C1.2 ; v5(61.8,80.688) 61.8,83.1 64.022,85.322 C12.1 ; R2.1 62.075,43.9 61.35,44.625 C1.2 ; P4.2 P4.3 ; v3(63.6,50.2) 63.61,50.21 U10.1 C14.2@66.074,52.6 ; U13.1 66.074,32.975 66.097,32.998 C17.2
  Top Layer w0.762: v5(61.8,80.688) 65.542,80.688 U5.4 U5.2
  other v1: 57.8,91.14
  other v3: 66,31.675
VCC5V: C2.2 C5.1 C8.1 C9.1 C10.1 J1.J1_58 J1.J1_59 J1.J1_60 J2.1 J4.5 P5.2 P7.1 P8.1 P9.3 R6.1 R7.1 R13.1 R22.1 R24.2 U2.6 U3.4 U3.16 U4.2 U5.3 U7.10 U8.4 U8.16 U9.4 U9.16 | length 249.5
  Top Layer w0.152: U7.10 15.423,70.226 v1(15.987,69.662)
  Top Layer w0.254: R24.2 R22.1 10.42,75.169 10.42,75.483 11.345,76.408 12.137,76.408 13.129,77.4 U9.16 ; U8.4 22.519,82.1 23.64,80.979 25.009,80.979 26.329,79.659 v1(26.329,76.125) ; v1(40.925,53.8) C2.2 J1.J1_60 J1.J1_59 J1.J1_58 ; P7.1@46.4,94.55 P7.1 ; v3(47.6,93.3) 53.383,93.3 54.101,94.018 54.101,95.101 P9.3 ; C8.1 C8.1@67.17,66.531
  Top Layer w0.381: J2.1@9.3,5.3 J2.1 9.41,4.49 9.41,3.612 9.821,3.2 16,3.2 17.408,4.608 20.364,4.608 P8.1 20.481,4.49 20.481,3.612 21.015,3.078 44.918,3.078 P5.2 ; v1(9.319,85.455) U9.4 9.319,82.2 11.111,80.408 11.73,80.408 13.129,79.009 U9.16 ; J2.1@9.325,5.275 J2.1@9.41,5.36 ; v3(18.299,17.5) U3.16 18.299,14.8 20.199,12.9 21.563,12.9 22.109,12.353 U3.4
  Top Layer w0.508: P7.1@46.4,94.55 46.792,94.158 46.792,94.108 v3(47.6,93.3) ; v3(52,29.8) R6.1 ; v6(52.2,59.5) 62.7,59.5 67.17,63.97 C8.1 ; C8.1@67.17,66.531 68.06,67.421 68.06,70.56 72.22,74.72 76.92,74.72 81.21,79.01 C5.1 ; C10.1@69.994,85.375 69.994,85.35 70.015,85.329 70.04,85.329 71.305,84.064 71.305,83.346 71.551,83.1 U5.3 ; U5.3@71.654,83.1 C9.1@74.81,83.1 ; C9.1@75.321,82.364 74.9,82.785 C9.1 77.2,83.01 C5.1 ; v3(86.4,67.4) R13.1 ; U2.6 93.55,79.01 C5.1
  Bottom Layer w0.381: J4.5 32.914,93.9 47,93.9 v3(47.6,93.3) 57.3,83.6 57.3,80.866 U4.2
  Bottom Layer w0.508: P5.2 P5.2@54.4,12.3 ; v3(86.4,67.4) 86.4,70.302 89.782,73.684 91.724,73.684 U2.6
VCC24V: C3.1 J3.1 L1.1 | length 18.5
  Top Layer w1.016: J3.1 80.827,96 81.177,96.35 C3.1 87.38,96.35 L1.1
pads on no net: CAN1.6 CAN1.7 CAN1.15 CAN1.16 CAN2.6 CAN2.7 CAN2.15 CAN2.16 J1.J1_2 J1.J1_6 J1.J1_7 J1.J1_8 J1.J1_10 J1.J1_11 J1.J1_12 J1.J1_13 J1.J1_14 J1.J1_22 J1.J1_25 J1.J1_28 J1.J1_29 J1.J1_31 J1.J1_32 J1.J1_33 J1.J1_35 J1.J1_36 J1.J1_37 J1.J1_49 J1.J1_50 J1.J1_51 J1.J1_52 J1.J1_55 J1.J2_3 J1.J2_8 J1.J2_9 J1.J2_10 J1.J2_11 J1.J2_12 J1.J2_13 J1.J2_14 J1.J2_15 J1.J2_20 J1.J2_21 J1.J2_22 J1.J2_23 J1.J2_24 J1.J2_25 J1.J2_26 J1.J2_27 J1.J2_28 J1.J2_29 J1.J2_35 J1.J2_39 J1.J2_40 J1.J2_42 J1.J2_43 J1.J2_44 J1.J2_45 J1.J2_46 J1.J2_47 J1.J2_48 J1.J2_49 J1.J2_50 J1.J2_51 J1.J2_52 J1.J2_53 J1.J2_54 J1.J2_55 J1.J2_56 J1.J2_57 J1.J2_58 J1.J2_59 J1.J2_60 J2.0 J4.1 J4.10 J4.11 P1.0 P2.0 P4.4 P7.0 P8.0 P9.0 P10.0 P11.0 P12.0 U2.3 U2.5 U2.8 U3.10 U3.11 U3.13 U3.14 U7.0 U7.3 U7.4 U7.5 U7.6 U7.7 U7.8 U7.14 U7.16 U7.18 U7.22 U7.23 U7.24 U8.5 U8.6 U8.10 U8.11 U8.13 U8.14 U9.5 U9.6 U9.7 U9.9 U9.10 U9.11 U9.13 U9.14 U9.15
copper on no net:
  other v4: 4,4 96,4 4,96 96,96

## Polygon pours and split planes (outlines as drawn)
GND on Top Layer "GND_top" (solid, pour order 13): 8.9,98 3.2,92.3 3.2,8.4 9.5,2.1 90.1,2.1 93.5,5.5 93.5,7.377 83.177,17.7 76.76,17.7 69.6,24.86 69.6,61.86 68.7,62.76 68.7,74.72 74.38,74.72 84.9,64.2 93.8,64.2 97.8,68.2 97.8,77.26 94.26,80.8 78.172,80.8 72.491,86.481 65.094,86.481 61.3,90.275 61.4,90.375 61.4,94.908 58.308,98
no net on Top Layer "24VGND_top" (solid, pour order 16): 79.064,83.845 93.145,83.845 97.8,88.5 97.8,92.1 91.7,98.2 65.8,98.2 62.5,94.9 62.5,91.1 65,88.6 74.309,88.6
CANGND on Top Layer "CANGND_top" (solid, pour order 7): 71.3,72.7 69.7,71.1 69.7,64.2 71.4,62.5 71.4,25.3 76,20.7 84,20.7 91.8,12.9 97.4,12.9 97.4,63 84,63 74.3,72.7
VCC3.3V on POWER "VCC3.3V" (solid, pour order 19): 90.1,2.1 61.1,2.1 61.1,32.2 56.9,36.4 56.9,70.6 52.8,70.6 46.9,76.5 46.9,97.9 58.2,97.9 58.3,98 61.3,95 61.3,90.2 65,86.5 72.522,86.5 78.2,80.822 78.2,80.7 94.3,80.7 97.7,77.3 98,77.3 98,68 94.3,64.3 84.9,64.3 84.7,64.1 74.3,74.5 74.3,74.72 68.78,74.72 68.7,74.8 68.6,74.7 68.6,62.7 69.7,61.6 69.7,24.7 76.7,17.7 83.3,17.7 93.6,7.4 93.6,5.3
VCC5V on POWER "VCC5V" (solid, pour order 20): 8.6,98 8.6,97.4 3,91.8 3.2,91.6 3.2,8.4 9.7,1.9 57.8,1.9 57.8,32.1 57.9,32.2 54.9,35.2 54.9,65.3 44.9,75.3 44.9,90.038 36.838,98.1 8.7,98.1
ISO5V on POWER "ISO5V" (solid, pour order 17): 71.3,72.6 69.7,71 69.7,64.1 71.4,62.4 71.4,25.2 76,20.6 84,20.6 91.8,12.8 97.4,12.8 97.4,63 83.9,63 74.3,72.6
VCC24V on POWER "VCC24V" (solid, pour order 3): 79.064,83.845 93.145,83.845 97.8,88.5 97.8,92.1 91.7,98.2 65.8,98.2 62.5,94.9 62.5,91.1 65,88.6 74.309,88.6
GND on GND "GND" (solid, pour order 15): 8.9,98 3.2,92.3 3.2,8.4 9.5,2.1 90.1,2.1 93.5,5.5 93.5,7.377 83.177,17.7 76.76,17.7 69.6,24.86 69.6,61.86 68.7,62.76 68.7,74.72 74.38,74.72 84.9,64.2 93.8,64.2 97.8,68.2 97.8,77.26 94.26,80.8 78.172,80.8 72.491,86.481 65.094,86.481 61.3,90.275 61.4,90.375 61.4,94.908 58.308,98
24VGND on GND "CANGND" (solid, pour order 10): 71.3,72.7 69.7,71.1 69.7,64.2 71.4,62.5 71.4,25.3 76,20.7 84,20.7 91.8,12.9 97.4,12.9 97.4,63.4 97.064,63.4 83.6,63.4 74.3,72.7
24VGND on GND "24VGND" (solid, pour order 1): 79.064,83.845 93.145,83.845 97.8,88.5 97.8,92.1 91.7,98.2 65.8,98.2 62.5,94.9 62.5,91.1 65,88.6 74.309,88.6
GND on Bottom Layer "GND_bottom" (solid, pour order 14): 8.9,98 3.2,92.3 3.2,8.4 9.5,2.1 90.1,2.1 93.5,5.5 93.5,7.377 83.177,17.7 76.76,17.7 69.6,24.86 69.6,61.86 68.7,62.76 68.7,74.72 74.38,74.72 84.9,64.2 93.8,64.2 97.8,68.2 97.8,77.26 94.26,80.8 78.172,80.8 72.491,86.481 65.094,86.481 61.3,90.275 61.4,90.375 61.4,94.908 58.308,98
24VGND on Bottom Layer "24VGND_bottom" (solid, pour order 6): 79.064,83.845 93.145,83.845 97.8,88.5 97.8,92.1 91.7,98.2 65.8,98.2 62.5,94.9 62.5,91.1 65,88.6 74.309,88.6
CANGND on Bottom Layer "CANGND_bottom" (solid, pour order 9): 71.3,72.7 69.7,71.1 69.7,64.2 71.4,62.5 71.4,25.3 76,20.7 84,20.7 91.8,12.9 97.4,12.9 97.4,63.4 97.064,63.4 83.6,63.4 74.3,72.7

## Silkscreen, mask and mechanical layers (free items; w line width, h text height)
Top Overlay:
  lines w0.254: 28.4,85.5 28.4,68.3 ; 47.9,75.3 47.9,79.4 ; 48.4,68.3 28.4,68.3 ; 48.4,85.6 28.4,85.6 59.4,85.6 59.4,68.3 28.4,68.3 ; 0,4 ccw(c4,4) 4,0 96,0 ccw(c96,4) 100,4 100,96 ccw(c96,96) 96,100 4,100 ccw(c4,96) 0,96 0,4 ; 30,0.1 30,19.2 45.2,19.2 57.9,19.2 57.9,0.1 30,0.1 ; 61.1,0.1 84,0.1 84,19.3 61.1,19.3 61.1,17.7 61.1,0.1
  text "USART3" at 3.227,20.027 h0.76
  text "STLINK" at 3.227,12.927 h0.76
  text "LOG" at 10.427,8.027 h0.76
  text "HPULSE" at 20.827,2.027 h0.76

## Text inside footprints (layer, text, board x,y; h text height)
J4: Top Overlay "1" at 14.1,88.3 h1.5; Top Overlay "5" at 30.1,88.1 h1.5; Top Overlay "9" at 27.7,93.325 h1.5; Top Overlay "6" at 16.1,93.2 h1.5
P5: Top Overlay "1" at 56.5,14.4 h1.27; Top Overlay "2" at 56.3,11.8 h1.27; Top Overlay "8" at 44.4,12.9 h1.27 r180; Top Overlay "7" at 43.8,14.2 h1.27
U4: Top Overlay "GND" at 64.723,71.83 h0.76; Top Overlay "Vin" at 67.296,71.837 h0.76; Top Overlay "+Vo" at 72.26,71.822 h0.76; Top Overlay "0V" at 70.138,71.84 h0.76